# Altium PCB ImmPCB2.PCBDOC (part 4 of 4)
Units mm, origin at the board's own origin, x right, y up, seen from the top; angles counter-clockwise.
Board outline 140.04 x 97 mm, 4 copper layers (Top Layer, InternalPlane1, InternalPlane2, Bottom Layer); 374 components, 334 nets, 1652 pads, 438 vias.
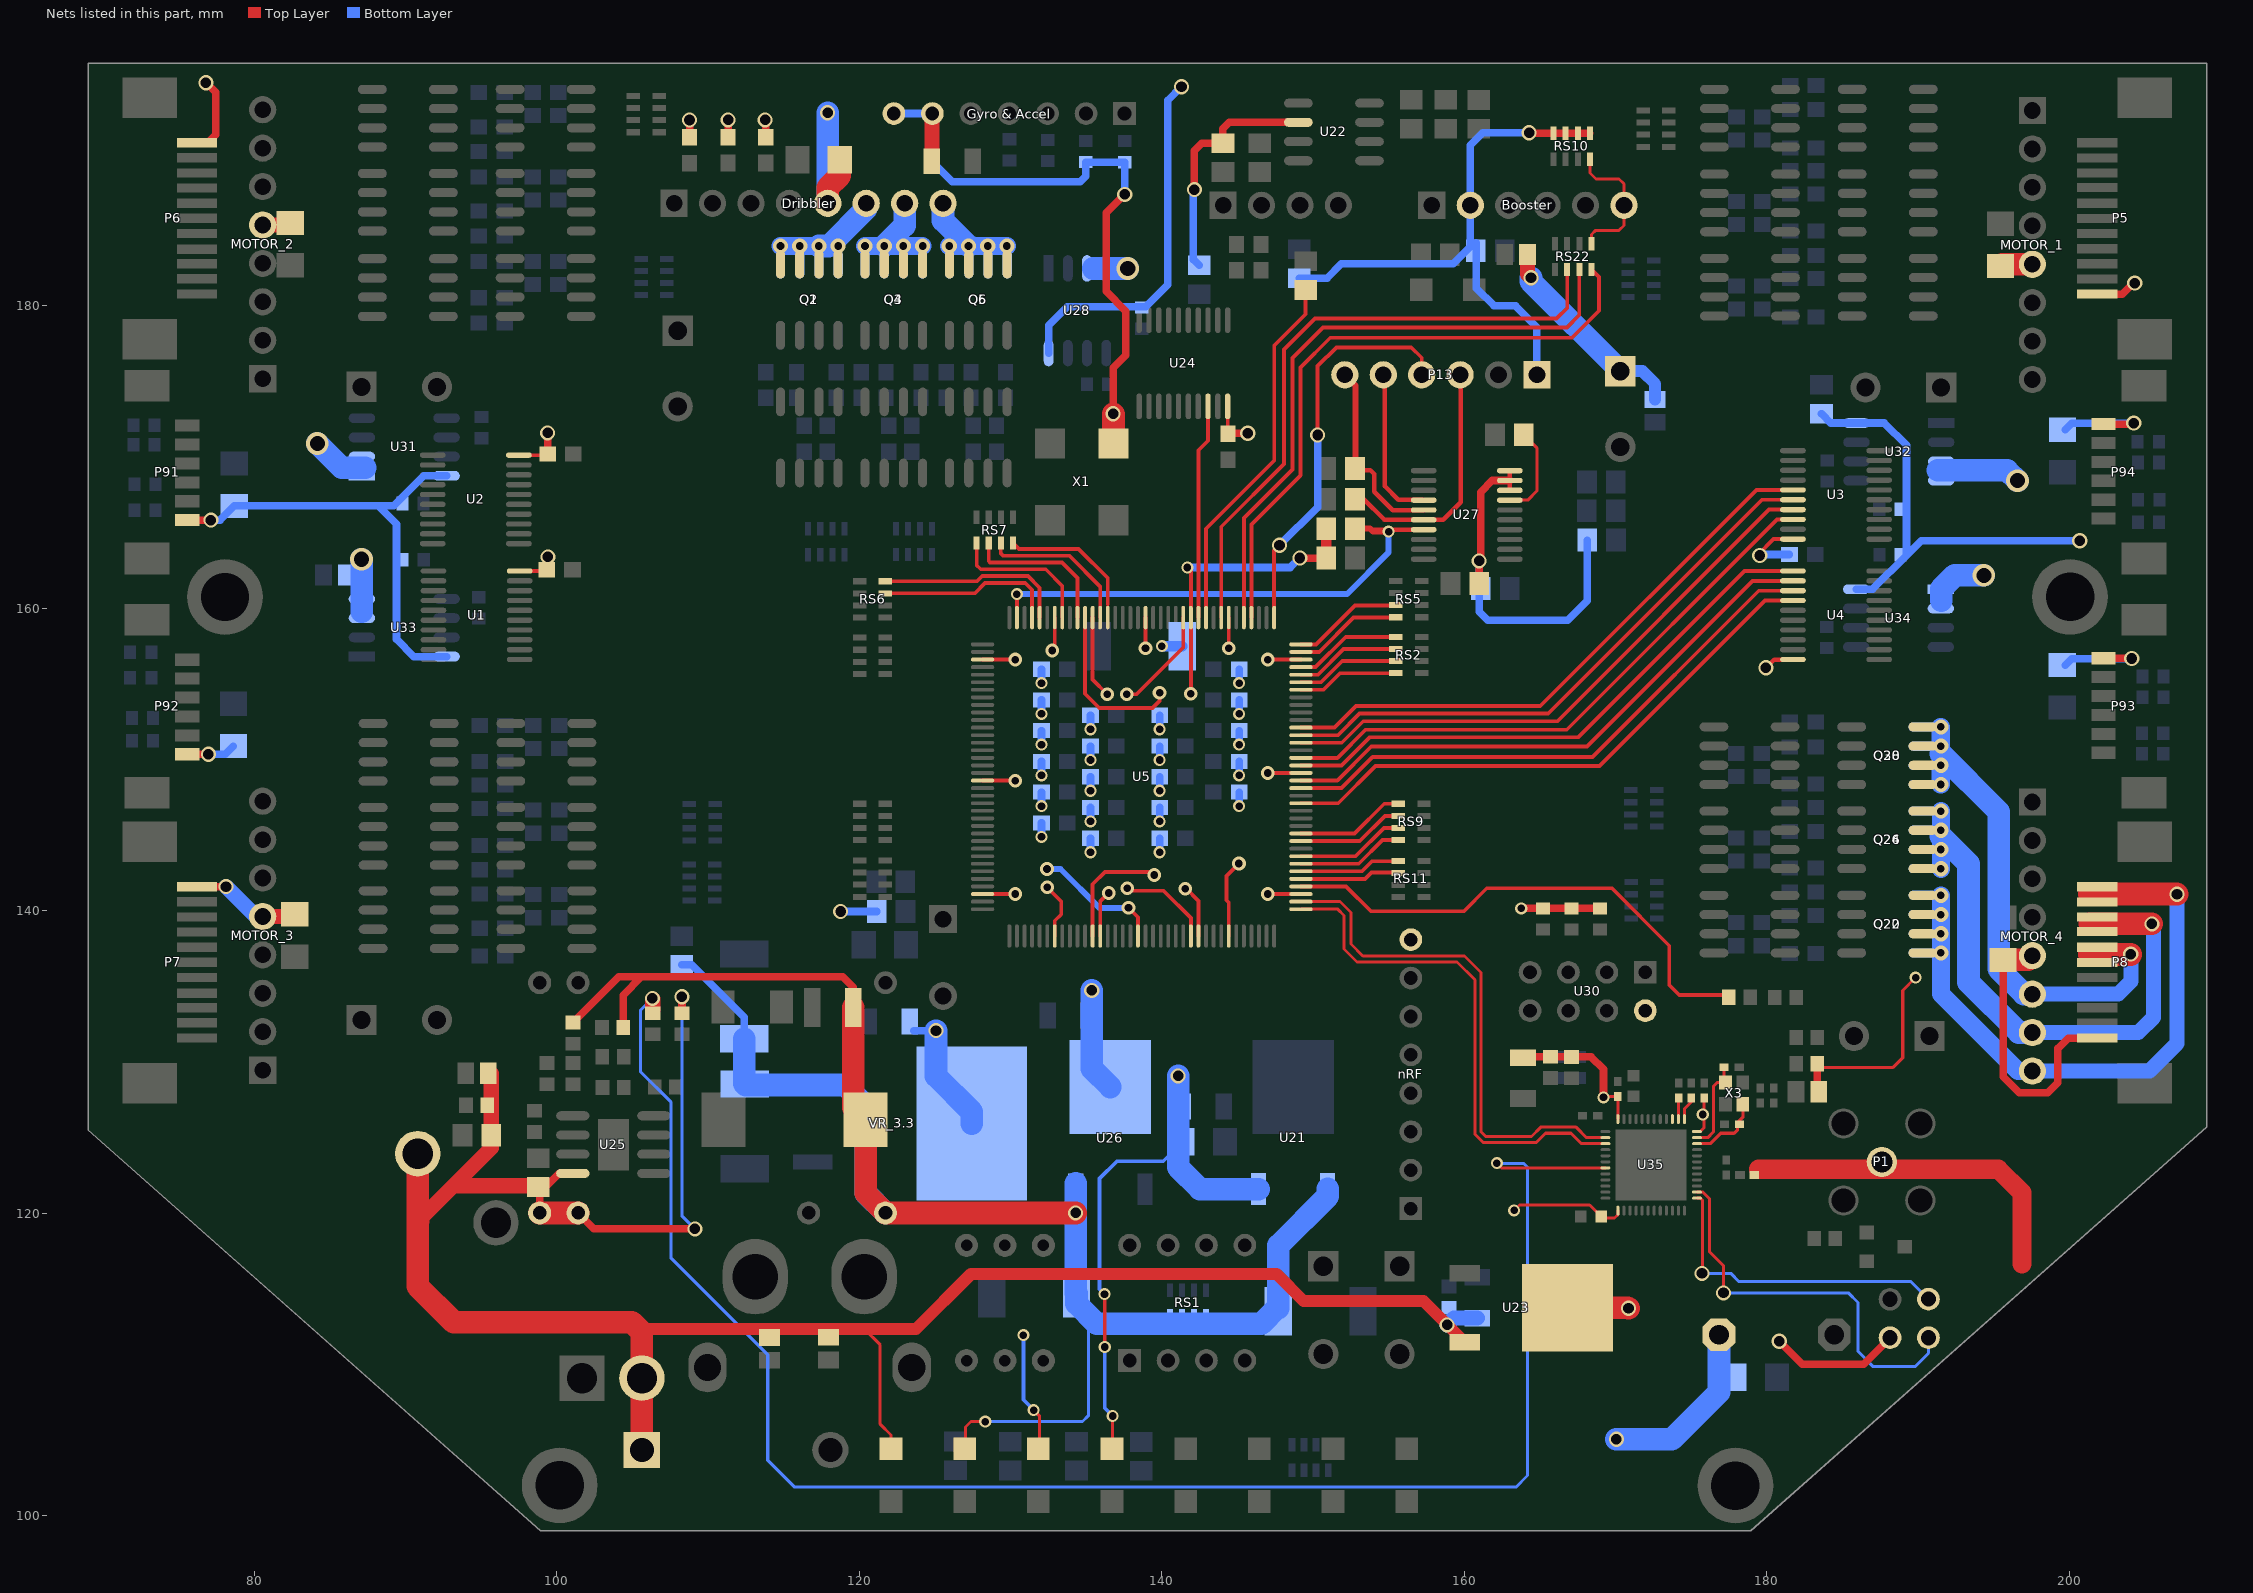
[diagram p6: the nets of this part, all layers, seen from the top]

## Via types
v1: diameter 0.8, hole 0.5, Top Layer to Bottom Layer, tented both sides, 205 vias
v2: diameter 1, hole 0.7, Top Layer to Bottom Layer, tented both sides, 103 vias
v3: diameter 1, hole 0.5, Top Layer to Bottom Layer, tented both sides, 60 vias
v4: diameter 0.9, hole 0.5, Top Layer to Bottom Layer, tented both sides, 38 vias
v5: diameter 0.66, hole 0.33, Top Layer to Bottom Layer, tented both sides, 22 vias
v6: diameter 1.5, hole 1, Top Layer to Bottom Layer, tented both sides, 5 vias
v7: diameter 1, hole 0.711, Top Layer to Bottom Layer, tented both sides, 5 vias

## Nets (pads, with @x,y where several pads share a name; then routed paths per layer and width w, separated by ;. In a path a pad name is that pad's centre, name@x,y a point inside that pad or via, vN(x,y) a via of type N, cw(c..) or ccw(c..) an arc to the next point about the centre after c; other vN are vias at no path point) (continued)
O41: MOTOR_4.6 P8.6 P8.7 Q28.5 Q28.6 Q28.7 Q28.8 Q30.5 Q30.6 Q30.7 Q30.8 | length 33.2
  Top Layer w1.5: 201.34,137.1 204.06,137.1 v2(204.06,137.12)
  Bottom Layer w0.5: v2(204.06,137.12) v2@204.09,137.09
  Bottom Layer w1: MOTOR_4.6@197.56,134.475 203.235,134.475 204.09,135.33 v2@204.09,137.09
  Bottom Layer w1.2: v3@191.5,148.335 v3@191.5,149.593 ; 191.5,150.37 v3@191.5,152.145
  Bottom Layer w1.5: 191.5,150.37 195.33,146.54 195.33,136.15 197.005,134.475 MOTOR_4.6@197.56,134.475
  other v3: 191.51,148.335 191.51,149.605 191.51,150.875 191.51,152.145
O42: MOTOR_4.7 P8.8 P8.9 Q24.5 Q24.6 Q24.7 Q24.8 Q26.5 Q26.6 Q26.7 Q26.8 | length 38.4
  Top Layer w1.5: 201.36,139.12 v2(205.46,139.12)
  Bottom Layer w1: MOTOR_4.7@197.56,131.935 204.555,131.935 205.56,132.94 v2@205.56,139.02
  Bottom Layer w1.2: v3@191.52,142.767 v3@191.52,146.577
  Bottom Layer w1.5: v3@191.52,144.92 193.34,143.1 193.34,135.26 196.665,131.935 MOTOR_4.7@197.56,131.935
  other v3: 191.51,142.767 191.51,144.037 191.51,145.307 191.51,146.577
O43: MOTOR_4.8 P8.10 P8.11 Q20.5 Q20.6 Q20.7 Q20.8 Q22.5 Q22.6 Q22.7 Q22.8 | length 40.7
  Top Layer w1.5: 201.32,141.1 207.1,141.1 v2(207.12,141.08)
  Bottom Layer w1: MOTOR_4.8@197.56,129.395 205.295,129.395 207.12,131.22 v2(207.12,141.08)
  Bottom Layer w1.2: v3(191.51,137.197) 191.51,134.5 196.615,129.395 MOTOR_4.8@197.56,129.395 ; v3@191.52,137.197 v3@191.52,141.007
  other v3: 191.51,138.467 191.51,139.737 191.51,141.007
OD1: Dribbler.8 Q5.5 Q5.6 Q5.7 Q5.8 Q6.5 Q6.6 Q6.7 Q6.8 | length 7.3
  Bottom Layer w1.2: v3@125.961,183.94 127.231,183.94 v3@129.771,183.94
  Bottom Layer w1.5: Dribbler.8@125.55,186.75 125.55,185.621 v3@127.231,183.94
  other v3: 125.961,183.93 127.231,183.93 128.501,183.93 129.771,183.93
OD2: Dribbler.7 Q3.5 Q3.6 Q3.7 Q3.8 Q4.5 Q4.6 Q4.7 Q4.8 | length 7.2
  Bottom Layer w1.2: v3@120.391,183.94 121.661,183.94 v3@124.197,183.94
  Bottom Layer w1.5: v3@121.661,183.94 123.01,185.289 Dribbler.7@123.01,186.75
  other v3: 120.391,183.93 121.661,183.93 122.931,183.93 124.201,183.93
OD3: Dribbler.6 Q1.5 Q1.6 Q1.7 Q1.8 Q2.5 Q2.6 Q2.7 Q2.8 | length 7.7
  Bottom Layer w1.2: v3@114.803,183.94 118,183.94
  Bottom Layer w1.5: v3(117.343,183.93) 117.99,183.93 118,183.94 120.47,186.41 Dribbler.6@120.47,186.75
  other v3: 114.803,183.93 116.073,183.93 118.613,183.93
P0.00/XL1: U5.74 U35.2 | length 34.5
  Top Layer w0.2: U5.74@149.209,140.594 151.782,140.594 152.51,139.866 152.51,137.79 153.3,137 160.02,137 161.113,135.907 161.113,125.373 161.416,125.07 164.45,125.07 165.06,125.68 167.4,125.68 168.09,124.99 U35.2@169.335,124.99
P0.01/XL2: U5.73 U35.3 | length 34.3
  Top Layer w0.2: U5.73@149.209,140.094 151.646,140.094 152.06,139.68 152.06,137.46 152.92,136.6 159.53,136.6 160.713,135.417 160.713,125.207 161.25,124.67 164.77,124.67 165.38,125.28 167.06,125.28 167.75,124.59 U35.3@169.335,124.59
P0.05/AIN3: R9.1 U35.7 | length 116.1
  Top Layer w0.2: v2(106.33,134.19) v2@106.36,134.16 ; v1(162.16,123.3) 162.47,122.99 U35.7@169.335,122.99
  Top Layer w1: R9.1@106.36,133.44 v2@106.36,134.16
  Bottom Layer w0.2: v2(106.33,134.19) 105.54,133.4 105.54,129.36 107.58,127.32 107.58,117.01 113.96,110.63 113.96,103.66 115.74,101.88 163.419,101.88 164.19,102.651 164.19,123.03 163.95,123.27 v1@162.23,123.27
P0.25: C103.1 U35.37 | length 1.6
  Top Layer w0.2: U35.37@174.56,126.215 174.56,126.9 175.02,127.36 C103.1@175.02,127.59
P0.26: C104.1 U35.38 | length 1.4
  Top Layer w0.2: U35.38@174.16,126.215 174.16,127.59 C104.1@174.17,127.6
P0.27: U35.39
"P.R TDO": R341.1 U27.17 | length 6.1
  Top Layer w0.2: U27.17@163.018,167.131 164.201,167.131 164.801,167.731 164.801,170.593 R341.1@163.934,171.46
PROG_B: R33.1 U5.143 U27.7 | length 34.4
  Top Layer w0.25: U5.143@130.434,159.369 v1(130.434,160.92)
  Top Layer w0.3: 153.85,165.18 U27.7@157.29,165.18
  Top Layer w0.4: R33.1@152.782,165.248 153.782,165.248 153.85,165.18 153.98,165.05 v1(155,165.05)
  Bottom Layer w0.4: v1(130.434,160.92) 152.25,160.92 154.99,163.66 v1@154.99,165.05
R_IO1: RS5.5 U5.108 | length 7.5
  Top Layer w0.25: U5.108@149.209,157.594 150.212,157.594 152.788,160.17 RS5.5@155.627,160.17
R_IO2: RS5.7 U5.107 | length 7.4
  Top Layer w0.25: U5.107@149.209,157.094 150.412,157.094 152.688,159.37 RS5.7@155.627,159.37
R_IO3: RS2.1 U5.105 | length 7.1
  Top Layer w0.25: U5.105@149.209,156.094 150.172,156.094 152.168,158.09 RS2.1@155.487,158.09
R_IO4: RS2.3 U5.104 | length 7
  Top Layer w0.25: U5.104@149.209,155.594 150.332,155.594 152.028,157.29 RS2.3@155.487,157.29
R_IO5: RS2.5 U5.103 | length 6.9
  Top Layer w0.25: U5.103@149.209,155.094 150.532,155.094 151.938,156.5 RS2.5@155.477,156.5
R_IO6: RS2.7 U5.102 | length 6.7
  Top Layer w0.25: U5.102@149.209,154.594 150.702,154.594 151.798,155.69 RS2.7@155.487,155.69
R_IO10: U3.15 U5.97 | length 39
  Top Layer w0.25: U5.97@149.209,152.094 151.422,152.094 152.848,153.52 165.03,153.52 179.315,167.805 U3.15@181.73,167.805
R_IO11: U3.16 U5.96 | length 39
  Top Layer w0.25: U5.96@149.209,151.594 151.652,151.594 153.078,153.02 165.56,153.02 179.695,167.155 U3.16@181.73,167.155
R_IO12: U3.17 U5.95 | length 38.9
  Top Layer w0.25: U5.95@149.209,151.094 151.902,151.094 153.328,152.52 166.16,152.52 180.145,166.505 U3.17@181.73,166.505
R_IO13: U3.18 U5.93 | length 39
  Top Layer w0.25: U5.93@149.209,150.094 151.614,150.094 153.47,151.95 166.78,151.95 180.685,165.855 U3.18@181.73,165.855
R_IO14: U4.11 U5.92 | length 37.8
  Top Layer w0.25: U5.92@149.209,149.594 151.892,149.594 153.748,151.45 167.53,151.45 178.525,162.445 U4.11@181.73,162.445
R_IO15: U4.12 U5.90 | length 38
  Top Layer w0.25: U5.90@149.209,148.594 151.614,148.594 153.86,150.84 168.11,150.84 179.065,161.795 U4.12@181.73,161.795
R_IO16: U4.13 U5.89 | length 37.9
  Top Layer w0.25: U5.89@149.209,148.094 151.892,148.094 153.948,150.15 168.48,150.15 179.475,161.145 U4.13@181.73,161.145
R_IO17: U4.14 U5.87 | length 38.1
  Top Layer w0.25: U5.87@149.209,147.094 151.674,147.094 154.13,149.55 168.94,149.55 179.885,160.495 U4.14@181.73,160.495
R_IO21: RS9.1 U5.83 | length 7.2
  Top Layer w0.25: U5.83@149.209,145.094 152.749,145.094 154.715,147.06 RS9.1@155.637,147.06
R_IO22: RS9.3 U5.82 | length 7.1
  Top Layer w0.25: U5.82@149.209,144.594 153.092,144.594 154.758,146.26 RS9.3@155.637,146.26
R_IO23: RS9.5 U5.80 | length 7.2
  Top Layer w0.25: U5.80@149.209,143.594 152.824,143.594 154.69,145.46 RS9.5@155.639,145.46
R_IO24: RS9.7 U5.79 | length 7.1
  Top Layer w0.25: U5.79@149.209,143.094 153.032,143.094 154.598,144.66 RS9.7@155.637,144.66
R_IO25: RS11.1 U5.78 | length 6.7
  Top Layer w0.25: U5.78@149.209,142.594 153.242,142.594 153.908,143.26 RS11.1@155.587,143.26
R_IO26: RS11.3 U5.77 | length 6.6
  Top Layer w0.25: U5.77@149.209,142.094 153.449,142.094 153.865,142.51 RS11.3@155.637,142.51
R_IO27: R25.1 U5.76 | length 34.1
  Top Layer w0.25: U5.76@149.209,141.594 152.196,141.594 153.83,139.96 159.98,139.96 161.49,141.47 169.77,141.47 173.56,137.68 173.56,135.07 174.21,134.42 177.35,134.42 R25.1@177.5,134.27
RF: L11.2 P1.1 | length 22.7
  Top Layer w1.27: 179.466,122.899 195.308,122.899 196.867,121.34 196.867,116.651
S_TDO: P13.4 U5.109 | length 26.8
  Top Layer w0.25: U5.109@147.434,159.369 147.434,163.824 147.76,164.15 v2(147.79,164.15) ; v2(150.31,171.44) 150.31,175.99 151.55,177.23 156.5,177.23 157.19,176.54 P13.4@157.19,175.42 ; P13.4@157.78,175.648 P13.4@157.904,175.524
  Bottom Layer w0.5: v2(147.79,164.15) 150.31,166.67 v2(150.31,171.44)
SHOOT_PULSE: Booster.6 RS10.2 RS22.8 | length 9.2
  Top Layer w0.2: RS10.2@168.31,189.669 168.31,188.76 168.71,188.36 170.24,188.36 170.562,188.038 Booster.6@170.562,186.62 170.562,185.292 170.24,184.97 168.69,184.97 168.41,184.69 RS22.8@168.41,184.081
SWDCLK: TP4.1 U35.25 | length 21
  Top Layer w0.2: U35.25@175.385,120.99 175.61,120.99 175.765,120.835 175.765,116.065 v2(175.72,116.02)
  Bottom Layer w0.2: v2(175.72,116.02) 177.62,116.02 178.17,115.47 189.53,115.47 TP4.1@190.69,114.31
SWDIO: TP5.1 U35.26 | length 26.5
  Top Layer w0.2: U35.26@175.385,121.39 175.776,121.39 176.2,120.966 176.2,117.46 177.14,116.52 v2(177.14,114.73)
  Bottom Layer w0.2: v2(177.14,114.73) 185.39,114.73 186.03,114.09 186.03,110.86 187.04,109.85 189.8,109.85 190.69,110.74 TP5.1@190.69,111.763
TCK: P13.3 R342.1 U27.6 | length 16.4
  Top Layer w0.3: R342.1@152.782,167.192 153.368,167.192 154.71,165.85 U27.6@157.25,165.85 ; U27.6@157.31,165.83 158.62,165.83 159.77,166.98 P13.3@159.77,175.42
TDI: P13.5 U27.4 | length 10.3
  Top Layer w0.3: P13.5@154.76,175.42 154.76,168.04 155.65,167.15 U27.4@157.27,167.15
TMS: P13.6 R343.1 U27.5 | length 13.2
  Top Layer w0.3: R343.1@152.824,169.12 153.79,169.12 154.05,168.86 154.05,167.68 155.27,166.46 U27.5@157.33,166.46
  Top Layer w0.4: P13.6@152.11,175.42 152.824,174.706 152.824,169.12 R343.1@153.14,169.12
U_IO1: RS6.5 U5.141 | length 12
  Top Layer w0.25: RS6.5@121.741,160.97 127.64,160.97 128.33,161.66 130.98,161.66 131.434,161.206 U5.141@131.434,159.369
U_IO2: RS6.7 U5.140 | length 12.6
  Top Layer w0.25: RS6.7@121.741,161.77 127.804,161.77 128.144,162.11 131.166,162.11 131.934,161.342 U5.140@131.934,159.369
U_IO3: RS7.8 U5.137 | length 9.6
  Top Layer w0.25: RS7.8@127.77,164.079 127.77,162.83 128.04,162.56 132.34,162.56 133.434,161.466 U5.137@133.434,159.369
U_IO4: RS7.6 U5.135 | length 9.9
  Top Layer w0.25: RS7.6@128.57,164.079 128.57,163.1 128.66,163.01 133.41,163.01 134.434,161.986 U5.135@134.434,159.369
U_IO5: RS7.4 U5.132 | length 10
  Top Layer w0.25: RS7.4@129.37,164.079 129.37,163.6 129.51,163.46 133.9,163.46 135.934,161.426 U5.132@135.934,159.369
U_IO6: RS7.2 U5.131 | length 9.8
  Top Layer w0.175: U5.131@136.434,159.369 136.434,160.244
  Top Layer w0.25: RS7.2@130.17,164.299 130.559,163.91 134.51,163.91 136.434,161.986 136.434,160.244
U_IO10: U5.119 U24.18 | length 14.2
  Top Layer w0.25: U5.119@142.434,159.369 142.434,170.424 143.065,171.055 U24.18@143.065,173.33
U_IO11: R333.2 U5.118 | length 24.3
  Top Layer w0.25: U5.118@142.934,159.369 142.934,165.244 147.44,169.75 147.44,177.36 149.5,179.42 R333.2@149.5,180.99
U_IO12: RS22.3 U5.116 | length 41.8
  Top Layer w0.25: U5.116@143.934,159.369 143.934,165.374 148.08,169.52 148.08,177.09 150.13,179.14 166.11,179.14 166.81,179.84 RS22.3@166.81,182.379
U_IO13: RS22.5 U5.113 | length 41.6
  Top Layer w0.25: U5.113@145.44,159.369 145.44,165.95 148.65,169.16 148.65,176.52 150.67,178.54 166.79,178.54 167.61,179.36 RS22.5@167.61,182.379
U_IO14: RS22.7 U5.112 | length 42.1
  Top Layer w0.25: U5.112@145.93,159.369 145.93,165.52 149.18,168.77 149.18,175.91 151.14,177.87 167.13,177.87 168.906,179.646 168.906,181.883 RS22.7@168.41,182.379
"V 1.2": C33.2 C34.2 C35.2 C36.2 C62.2 C75.2 U5.49 U5.61 U5.121 U5.133 U26.4 | length 33.3
  Top Layer w0.25: U5.133@135.434,159.369 135.434,155.266 v4(136.4,154.3) ; U5.49@135.934,138.319 135.934,140.594 v4(136.5,141.16) ; v4(137.68,154.3) 138.33,154.3 141.434,157.404 U5.121@141.434,159.369 ; v4(137.73,141.48) 137.9,141.31 140.13,141.31 141.934,139.506 U5.61@141.934,138.319
  Bottom Layer w0.5: v1(135.294,143.858) C35.2@135.294,144.78 ; v1(135.294,145.89) C34.2@135.294,146.812 ; v1(135.294,147.922) C75.2@135.294,148.844 ; v1(135.294,149.954) C36.2@135.294,150.876 ; v1(135.294,151.986) C33.2@135.294,152.908
  Bottom Layer w1.5: v2(135.38,134.72) 135.38,129.565 U26.4@136.61,128.335
"V 2.5": C11.2 C12.2 C13.2 C31.2 C73.2 C74.2 D21.1 R2.5.2 R33.2 R34.1 U5.48 U5.62 U5.120 U5.134 U21.3 | length 83.6
  Top Layer w0.2: v1(136.76,106.59) 136.76,104.48 D21.1@136.81,104.43
  Top Layer w0.25: U5.134@134.934,159.369 134.934,154.336 135.87,153.4 139.4,153.4 139.88,153.88 v4(139.86,154.39) ; U5.48@135.434,138.319 135.434,141.734 136.25,142.55 139.3,142.55 v4(139.5,142.35) ; v1(136.22,114.65) 136.24,114.63 v1(136.24,111.15) ; v4@141.6,141.47 142.434,140.636 U5.62@142.434,138.319 ; v1@141.71,162.68 141.934,162.456 U5.120@141.934,159.369 v4(141.934,154.34)
  Top Layer w0.5: v2(149.134,163.304) R34.1@150.882,163.304
  Top Layer w0.7: R34.1@150.882,163.304 R33.2@150.882,165.248
  Bottom Layer w0.25: v1(136.22,114.65) 135.9,114.97 135.9,122.28 137.05,123.43 140.1,123.43 141.09,124.42 R2.5.2@141.38,124.71 ; v1(136.24,111.15) 136.24,107.11 v1(136.76,106.59)
  Bottom Layer w0.5: v1(139.866,143.858) C74.2@139.866,144.78 ; v1(139.866,145.89) C12.2@139.866,146.812 ; v1(139.866,147.922) C73.2@139.866,148.844 ; v1(139.866,149.954) C11.2@139.866,150.876 ; v1(139.866,151.986) C13.2@139.866,152.908 ; v1@141.71,162.68 148.51,162.68 v2(149.134,163.304)
  Bottom Layer w1.5: v2(141.09,129.07) 141.09,124.42 141.09,123.03 142.535,121.585 U21.3@146.405,121.585
  other v1: 141.7,162.68
  other v4: 141.57,141.44
"V 3.3": "Gyro & Accel.6" "Gyro & Accel.7" Booster.2 C14.2 C15.2 C16.2 C17.2 C18.2 C20.1 C21.1 C23.2 C24.2 C25.2 C37.2 C38.2 C39.2 C72.1 C76.2 C77.2 C78.2 C79.2 C80.1 C125.1 D2.1 P13.1 R32.1 R55.2 R149.1 R150.1 R345.1 R(rst).1 RS10.1 RS10.3 RS10.5 RS10.7 U1.20 U2.20 U3.20 U4.20 U5.3 U5.19 U5.34 U5.43 U5.54 U5.66 U5.75 U5.91 U5.106 U5.115 U5.126 U5.138 U24.20 U27.18 U27.19 U27.20 VR_3.3.4 X1.4 | length 189.9
  Top Layer w0.2: v1(131.54,106.98) 131.91,106.61 D2.1@131.91,104.46
  Top Layer w0.25: U2.20@97.51,170.105 99.345,170.105 C37.2@99.41,170.17 ; U1.20@97.56,162.445 99.405,162.445 99.43,162.47 v2(99.43,163.38) ; U5.34@128.159,141.094 v4(130.32,141.094) ; U5.19@128.159,148.594 v4(130.32,148.594) ; U5.3@128.159,156.594 v4(130.32,156.594) ; v1(131.54,106.98) v1@131.54,107.04 ; v4(132.434,141.53) 133.36,140.604 133.36,139.75 132.934,139.324 U5.43@132.934,138.319 ; v4@132.934,157.19 U5.138@132.934,159.369 ; v4(137.81,140.18) 138.434,139.556 U5.54@138.434,138.319 ; v4(138.934,157.34) U5.126@138.934,159.369 ; C38.2@144.365,171.55 U24.20@144.365,173.33 ; U5.66@144.434,138.319 144.434,140.526 144.28,140.68 144.28,142.28 v4(145.11,143.11) ; v4(144.434,157.34) U5.115@144.434,159.369 ; v4(147.02,141.094) U5.75@149.209,141.094 ; v4(147.02,149.094) U5.91@149.209,149.094 ; v4(147.02,156.594) U5.106@149.209,156.594 ; v2(179.54,163.47) 179.51,163.47 179.44,163.54 180.455,164.555 U3.20@181.73,164.555
  Top Layer w0.3: U27.18@163.018,167.781 U27.19@163.018,168.431 U27.20@163.018,169.081 ; v2(179.94,156.05) 180.485,156.595 U4.20@181.73,156.595
  Top Layer w0.5: C37.2@99.41,170.17 v2(99.41,171.58) ; v2(136.79,172.84) 136.79,175.87 137.64,176.72 137.64,179.63 136.34,180.93 136.34,186.12 v2(137.56,187.34) ; C38.2@144.365,171.55 v2(145.69,171.55) ; R32.1@160.99,161.62 v2(160.99,163.12) 161.094,163.224 161.094,167.663 161.862,168.431 U27.19@163.018,168.431 ; v2(164.29,191.42) 164.339,191.371 RS10.7@165.91,191.371 RS10.5@166.71,191.371 RS10.3@167.51,191.371 RS10.1@168.31,191.371
  Top Layer w1: C125.1@124.81,189.53 124.81,192.66 124.84,192.69
  Top Layer w1.5: v2(136.79,172.84) 136.816,172.814 X1.4@136.816,170.88
  Bottom Layer w0.25: v1(130.86,111.94) 130.86,107.66 v1(131.54,106.98)
  Bottom Layer w0.4: v4(132.422,142.748) 133.312,142.748 135.88,140.18 v4(137.81,140.18)
  Bottom Layer w0.5: v2(118.78,139.94) 121.17,139.94 ; 122.3,192.69 124.84,192.69 124.84,189.49 126.15,188.18 134.62,188.18 134.99,188.55 R149.1@134.99,189.48 137.55,189.48 R150.1@137.56,189.47 v2(137.56,187.34) ; C20.1@123.6,132.06 v2(125.08,132.06) ; v1(132.056,144.874) C23.2@132.056,145.796 ; v1(132.056,146.906) C78.2@132.056,147.828 ; v1(132.056,148.938) C17.2@132.056,149.86 ; v1(132.056,150.97) C77.2@132.056,151.892 ; v1(132.056,153.002) C18.2@132.056,153.924 ; v1(132.056,155.034) C25.2@132.056,155.956 ; v1(145.122,146.906) C15.2@145.122,147.828 ; v1(145.122,148.938) C16.2@145.122,149.86 ; v1(145.122,150.97) C79.2@145.122,151.892 ; v1(145.122,153.002) C14.2@145.122,153.924 ; v1(145.122,155.034) C24.2@145.122,155.956 ; R55.2@149.1,181.81 150.93,181.81 151.88,182.76 159.27,182.76 160.402,183.892 Booster.2@160.402,186.62 160.402,190.602 161.22,191.42 v2(164.29,191.42) ; C21.1@160.79,184.13 160.79,181.15 161.97,179.97 163.39,179.97 164.81,178.55 P13.1@164.81,175.42 ; v2(160.99,163.12) 160.99,159.74 161.55,159.18 166.83,159.18 168.13,160.48 R345.1@168.13,164.494 ; v2(179.54,163.47) 179.61,163.54 C76.2@181.5,163.54
  Bottom Layer w0.7: v1@140.014,157.48 C80.1@141.364,157.48
  Bottom Layer w1.5: v2(125.08,132.06) 125.08,129.06 127.44,126.7 VR_3.3.4@127.44,125.93
  other v1: 140.01,157.484
  other v4: 132.77,157.19
"V 12": C66.1 C67.1 C68.1 C69.1 C70.1 C71.1 C81.1 C82.2 C83.2 C88.1 C89.1 C90.1 C126.1 C_IR.1 D1.1 D_correction.2 MikonaPOW.2 P4.2 pad.5 pad.6 R8.1 R19.2 R44.2 U22.6 U23.3 U25.8 U28.3 U28.4 U31.1 U31.2 U32.3 U32.4 U33.3 U33.4 U34.1 U34.2 | length 212.6
  Top Layer w0.2: 120.35,112.33 121.39,111.29 121.39,106.05 122.11,105.33 D1.1@122.11,104.44 ; R19.2@183.38,129.64 188.36,129.64 188.99,130.27 188.99,134.72 v1(189.84,135.57)
  Top Layer w0.5: pad.5@98.882,120.012 98.882,121.342 100.165,122.625 U25.8@101.071,122.625 ; pad.6@101.422,120.012 102.474,118.96 v7(109.14,118.96) ; v7(108.28,134.3) 108.29,134.29 R8.1@108.29,133.22 ; v2(142.16,187.66) 142.16,190.24 142.64,190.72 R44.2@144.05,190.72 144.05,191.68 144.475,192.105 U22.6@149.04,192.105 ; R19.2@183.34,129.87 183.34,128.11 C68.1@183.43,128.02
  Top Layer w0.8: 105.64,112.12 105.85,112.33 120.35,112.33 123.75,112.33 127.39,115.97 147.6,115.97 149.39,114.18 157.32,114.18 U23.3@160.03,111.47
  Top Layer w1: 90.844,119.46 95.684,124.299 C66.1@95.684,129.24 ; 93.22,121.81 C88.1@98.793,121.81 ; C67.1@164.18,183.38 164.18,182.06 v7(164.41,181.83)
  Top Layer w1.5: P4.2@90.822,123.932 90.822,119.46 ; 90.844,119.46 90.822,119.46 ; pad.5@98.882,120.012 pad.6@101.422,120.012 ; D_correction.2@105.64,104.34 MikonaPOW.2@105.64,109.09 105.64,112.12 104.98,112.78 93.2,112.78 90.822,115.158 90.822,119.46
  Bottom Layer w0.2: v7(108.28,134.3) 108.28,119.82 v7(109.14,118.96)
  Bottom Layer w0.5: v2(142.16,187.66) 142.1,187.6 142.1,183.04 C_IR.1@142.49,182.65
  Bottom Layer w0.8: C126.1@170.33,175.66 171.78,175.66 172.62,174.82 C81.1@172.62,173.78
  Bottom Layer w1: v2(158.87,112.61) 159.32,113.06 C83.2@160.86,113.06
  Bottom Layer w1.5: v6(84.19,170.88) 85.79,169.28 87.35,169.28 ; v6(87.11,163.22) 87.13,163.2 87.13,159.76 ; 135.47,182.45 137.75,182.45 v6(137.76,182.44) ; v7(164.41,181.83) 164.39,181.81 164.39,181.6 C126.1@170.33,175.66 ; 191.32,169.1 195.89,169.1 v6(196.57,168.42) ; 191.54,160.5 191.54,161.27 192.43,162.16 v6(194.35,162.16)
VCC: C1.1 C2.1 C3.1 C5.1 C6.1 C7.1 C9.1 C63.1 C65.1 C86.2 C92.1 C110.1 C111.1 C113.1 C114.1 C117.1 C118.1 C120.1 C130.1 C_1.1 C_16.1 C_17.1 C_19.1 D24.1 Dribbler.5 L2.1 MOTOR_1.5 MOTOR_2.5 MOTOR_3.5 MOTOR_4.5 P5.1 P6.1 P7.1 P8.1 P91.1 P92.1 P93.1 P94.1 pad.8 R6.2 R40.1 R41.1 R42.1 RS1.1 RS1.3 RS1.5 RS1.7 U21.1 U26.3 U28.8 U29.+ U31.8 U32.8 U33.8 U34.8 VR_3.3.3 | length 290.2
  Top Layer w0.2: D24.1@127.03,104.45 127.03,105.86 127.39,106.22 v1(128.34,106.22)
  Top Layer w0.5: P92.1@75.59,150.33 v2(76.98,150.33) ; P91.1@75.59,165.81 v2(77.15,165.81) ; P7.1@76.23,141.58 v2(78.15,141.58) ; P6.1@76.23,190.76 76.93,190.76 77.46,191.29 77.46,194.08 v2(76.82,194.72) ; C92.1@101.08,132.6 104.1,135.62 105.61,135.62 ; R6.2@104.4,132.26 104.4,134.41 105.61,135.62 ; R40.1@108.79,191.11 v2(108.79,192.26) ; R41.1@111.34,191.12 v2(111.34,192.27) ; v2(113.79,192.27) 113.83,192.23 R42.1@113.83,191.12 ; C86.2@119.61,133.59 119.61,134.92 118.91,135.62 105.61,135.62 ; C7.1@195.62,136.74 195.62,129.01 196.68,127.95 198.56,127.95 199.23,128.62 199.23,130.88 199.922,131.572 P8.1@201.85,131.572 ; P5.1@201.85,180.752 203.502,180.752 204.23,181.48 v2(204.33,181.48) ; P93.1@202.27,156.68 204.11,156.68 v2(204.13,156.66) ; P94.1@202.27,172.16 204.2,172.16 v2(204.26,172.22)
  Top Layer w1: MOTOR_3.5@80.57,139.61 82.55,139.61 C120.1@82.69,139.75 ; MOTOR_2.5@80.57,185.32 82.26,185.32 C110.1@82.4,185.46
  Top Layer w1.5: Dribbler.5@117.93,186.75 117.93,187.79 118.72,188.58 C1.1@118.72,189.63 ; L2.1@119.61,126.98 C86.2@119.61,133.59 ; L2.1@120.43,126.16 120.43,121.324 pad.8@121.742,120.012 v2(134.312,120.012) ; C130.1@195.46,182.6 195.585,182.725 MOTOR_1.5@197.56,182.725 ; C7.1@195.62,136.74 197.285,136.74 MOTOR_4.5@197.56,137.015
  Bottom Layer w0.2: v1(128.34,106.22) 134.77,106.22 135.15,106.6 135.15,113.02
  Bottom Layer w0.5: v2(76.98,150.33) 78.1,150.33 C2.1@78.64,150.87 ; v2(77.15,165.81) 77.75,165.81 C3.1@78.69,166.75 88.21,166.75 ; U33.8@92.73,156.79 90.57,156.79 89.42,157.94 89.42,165.54 88.21,166.75 ; U31.8@92.73,168.74 91.23,168.74 89.24,166.75 88.21,166.75 ; C63.1@108.27,136.41 108.95,136.41 112.41,132.95 C_19.1@112.41,131.53 ; U28.8@132.53,176.85 132.53,178.69 133.77,179.93 138.96,179.93 140.4,181.37 140.4,193.55 v2(141.31,194.46) ; C_17.1@147.805,113.675 C_17.1@147.87,113.74 ; C65.1@183.62,172.85 184.24,172.23 U32.8@185.93,172.23 187.78,172.23 189.24,170.77 C118.1@189.24,163.49 ; U34.8@185.91,161.24 186.99,161.24 C118.1@189.24,163.49 ; C6.1@199.73,156.23 200.16,156.66 v2(204.13,156.66) ; C9.1@199.73,171.78 200.17,172.22 v2(204.26,172.22) ; v2(200.69,164.45) 190.2,164.45 C118.1@189.24,163.49
  Bottom Layer w1: v2(78.15,141.58) 80.12,139.61 MOTOR_3.5@80.57,139.61
  Bottom Layer w1.5: C_16.1@112.41,128.57 C_19.1@112.41,131.53 ; C_16.1@112.51,128.47 VR_3.3.3@116.94,128.47 119.06,128.47 120.44,127.09 120.44,121.314 pad.8@121.742,120.012 ; v2(117.92,192.74) 117.92,186.76 Dribbler.5@117.93,186.75 ; C_1.1@134.325,114.71 U26.3@134.325,121.585 U26.3@134.325,121.955 ; C_1.1@134.37,114.71 134.37,114.02 135.7,112.69 146.59,112.69 C_17.1@147.69,113.79 ; C_17.1@147.715,113.705 147.715,117.855 150.975,121.115 U21.1@150.975,121.595 ; v2(170.06,105.05) 173.73,105.05 176.84,108.16 U29.+@176.84,111.95
VDD_NRF: C8.1 C84.2 C85.2 C87.2 C106.1 C124.1 nRF.8 R127.1 R128.1 R158.1 TP2.1 U23.2 U30.2 U35.13 U35.36 U35.48 | length 38.2
  Top Layer w0.2: v1(163.3,120.18) 163.66,120.54 168.295,120.54 C106.1@169.065,119.77 169.165,119.67 169.93,119.67 170.16,119.9 U35.13@170.16,120.165 ; v1(169.21,127.65) 169.27,127.71 C124.1@170.15,127.71 170.16,127.7 U35.48@170.16,126.215 ; U35.36@175.385,125.39 175.6,125.39 175.84,125.63 175.84,127.54 C8.1@175.87,127.57
  Top Layer w0.5: v1(163.77,140.14) R127.1@165.21,140.14 R158.1@167.095,140.14 R128.1@168.98,140.14 ; C84.2@163.88,130.28 163.93,130.33 C87.2@165.7,130.33 168.38,130.33 169.21,129.5 v1(169.21,127.65) ; v2(180.83,111.53) 182.34,110.02 186.407,110.02 TP2.1@188.15,111.763
  Top Layer w1.5: U23.2@166.83,113.75 170.82,113.75 v2(170.86,113.71)
  other v1: 175.77,126.52
XC1: C107.1 U35.34 X3.1 | length 4.9
  Top Layer w0.2: U35.34@175.385,124.59 176.266,124.59 176.956,125.28 177.85,125.28 178.08,125.51 178.08,126 178.415,126.335 X3.1@178.415,127.185
XC2: C102.1 U35.35 X3.3 | length 6.2
  Top Layer w0.2: U35.35@175.385,124.99 176.1,124.99 176.48,125.37 176.48,128.39 176.725,128.635 X3.3@177.265,128.635 177.18,128.72 C102.1@177.18,129.64
pads on no net: B1.0 RS5.1 RS5.2 RS5.3 RS5.4 RS8.5 RS8.6 RS8.7 RS8.8 RS11.5 RS11.6 RS11.7 RS11.8 RS13.1 RS13.3 RS14.1 RS14.3 RS15.5 RS15.7 RS17.2 RS17.4 RS20.6 RS20.8 RS22.1 RS22.2 U1.6 U1.14 U2.5 U2.15 U3.6 U3.14 U4.5 U4.15 U5.142 U6.1 U6.8 U7.1 U7.8 U8.1 U8.8 U9.1 U9.8 U10.1 U10.8 U11.1 U11.8 U12.1 U12.8 U13.1 U13.8 U14.1 U14.8 U15.1 U15.8 U16.1 U16.8 U17.1 U17.8 U18.1 U18.8 U19.1 U19.8 U20.1 U20.8 U22.1 U22.5 U22.8 U24.5 U24.6 U24.14 U24.15 U25.2 U27.2 U27.9 U27.12 U27.13 U27.14 U27.15 U27.16 U35.44 U35.47 X1.1

## Polygon pours and split planes (outlines as drawn)
"V 2.5" on InternalPlane1 (split plane): 142.854,125.922 140.222,125.922 140.222,133.34 140.214,133.405 140.188,133.466 140.166,133.496 140.148,133.518 138.852,134.814 138.852,154.888 142.854,154.888
"V 1.2" on InternalPlane1 (split plane): 138.348,134.71 138.356,134.645 138.382,134.584 138.422,134.532 139.718,133.236 139.718,126.333 134.402,131.648 134.402,154.888 138.348,154.888
VDD_NRF on InternalPlane1 (split plane): 182.368,128.892 182.368,125.44 179.38,125.44 178.06,124.12 178.06,120.18 179.55,118.69 192.75,118.69 192.75,111.906 178.75,99.506 173.622,99.506 173.622,107.94 173.613,108.038 173.584,108.132 173.538,108.219 173.475,108.295 173.399,108.358 173.312,108.404 173.218,108.433 173.12,108.442 155.622,108.442 155.622,140.958 170.302,140.958
"V 12" on InternalPlane1 (split plane): 189.815,173.855 189.891,173.792 189.978,173.746 190.072,173.717 190.17,173.708 194.402,173.708 198.148,169.962 198.148,152.888 193.765,148.505 193.702,148.429 193.656,148.342 193.627,148.248 193.618,148.15 193.618,134.832 188.928,134.832 186.942,136.818 186.942,160.76 186.933,160.858 186.904,160.952 186.858,161.039 186.795,161.115 180.105,167.805 180.029,167.868 179.942,167.914 179.848,167.943 179.75,167.952 178.748,167.952 169.165,177.535 169.089,177.598 169.002,177.644 168.908,177.673 168.81,177.682 106.48,177.682 106.382,177.673 106.288,177.644 106.201,177.598 106.125,177.535 103.302,174.712 95.26,174.712 95.162,174.703 95.068,174.674 94.981,174.628 94.905,174.565 90.085,169.745 90.022,169.669 89.976,169.582 89.947,169.488 89.938,169.39 89.938,131.94 89.947,131.842 89.976,131.748 90.022,131.661 90.085,131.585 102.322,119.347 102.322,109.023 83.062,128.283 83.062,173.052 85.108,175.098 87.57,175.098 87.668,175.107 87.762,175.136 87.849,175.182 87.925,175.245 94.398,181.718 99.69,181.718 99.788,181.727 99.882,181.756 99.969,181.802 100.045,181.865 106.698,188.518 175.152,188.518
"V 3.3" on InternalPlane1 (split plane): 178.185,167.095 178.261,167.032 178.348,166.986 178.442,166.957 178.54,166.948 179.542,166.948 185.938,160.552 185.938,136.61 185.947,136.512 185.976,136.418 186.022,136.331 186.085,136.255 188.365,133.975 188.441,133.912 188.528,133.866 188.622,133.837 188.72,133.828 193.618,133.828 193.618,125.782 183.372,125.782 183.372,129.1 183.363,129.198 183.334,129.292 183.288,129.379 183.225,129.455 170.865,141.815 170.789,141.878 170.702,141.924 170.608,141.953 170.51,141.962 155.12,141.962 155.022,141.953 154.928,141.924 154.841,141.878 154.765,141.815 154.702,141.739 154.656,141.652 154.627,141.558 154.618,141.46 154.618,108.442 124.642,108.442 124.642,127.26 124.633,127.358 124.604,127.452 124.558,127.539 124.495,127.615 124.375,127.735 124.299,127.798 124.212,127.844 124.118,127.873 124.02,127.882 102.93,127.882 102.832,127.873 102.738,127.844 102.651,127.798 102.575,127.735 102.527,127.677 102.47,127.63 102.407,127.554 102.361,127.467 102.332,127.373 102.322,127.275 102.322,120.768 90.942,132.148 90.942,169.182 95.468,173.708 103.51,173.708 103.608,173.717 103.702,173.746 103.789,173.792 103.865,173.855 106.688,176.678 168.602,176.678
VCC on InternalPlane1 (split plane): 208.56,125.909 208.417,125.782 194.622,125.782 194.622,147.942 199.005,152.325 199.068,152.401 199.114,152.488 199.143,152.582 199.152,152.68 199.152,170.17 199.143,170.268 199.114,170.362 199.068,170.449 199.005,170.525 194.965,174.565 194.889,174.628 194.802,174.674 194.708,174.703 194.61,174.712 190.378,174.712 175.715,189.375 175.639,189.438 175.552,189.484 175.458,189.513 175.36,189.522 106.49,189.522 106.392,189.513 106.298,189.484 106.211,189.438 106.135,189.375 99.482,182.722 94.19,182.722 94.092,182.713 93.998,182.684 93.911,182.638 93.835,182.575 87.362,176.102 84.9,176.102 84.802,176.093 84.708,176.064 84.621,176.018 84.545,175.955 82.205,173.615 82.142,173.539 82.096,173.452 82.067,173.358 82.058,173.26 82.058,128.075 82.067,127.977 82.096,127.883 82.142,127.796 82.205,127.72 102.35,107.575 102.426,107.512 102.513,107.466 102.607,107.437 102.705,107.428 102.825,107.428 102.923,107.437 103.017,107.466 103.104,107.512 103.18,107.575 103.243,107.651 103.289,107.738 103.318,107.832 103.327,107.93 103.327,119.555 103.327,126.878 123.638,126.878 123.638,107.96 123.639,107.95 123.638,107.94 123.647,107.842 123.676,107.748 123.722,107.661 123.785,107.585 123.861,107.522 123.948,107.476 124.042,107.447 124.14,107.438 154.868,107.438 154.928,107.406 155.022,107.377 155.12,107.368 162.01,107.368 162.108,107.377 162.202,107.406 162.262,107.438 172.618,107.438 172.618,99.506 99.137,99.506 70.903,124.514 69.54,126.198 69.54,195.485 208.56,195.485
GND on InternalPlane2 (split plane): 208.56,125.909 208.083,125.487 199.74,125.44 179.38,125.44 178.06,124.12 178.06,120.18 179.55,118.69 192.597,118.69 192.658,118.628 192.7,118.6 192.75,118.591 192.75,111.906 178.75,99.506 99.137,99.506 70.903,124.514 69.54,126.198 69.54,195.485 208.56,195.485

## Keep-outs
Keep-Out Layer:
  circle w0.006: c139.07,98.996 r0.003
  lines w0.013: 69.07,125.496 99.07,98.996 179.07,98.996 209.07,125.496 209.07,195.996 69.07,195.996 69.07,125.496

## Other copper
Top Layer:
  rectangle net RF: 196.232,115.867 197.502,116.629
InternalPlane1 (plane layer: these items are gaps in the copper):
  region: 192.75,111.31 203.04,120.5 203.86,121.32 208.8,125.44 199.74,125.44 179.38,125.44 178.06,124.12 178.06,120.18 179.55,118.69 192.75,118.69
  lines w0.254: 102.825,127.275 102.93,127.38 ; 124.14,107.96 124.25,107.85 ; 208.701,125.31 209.07,125.679
  lines w0.5: 138.6,155.32 138.6,134.71 139.97,133.34 139.97,125.42
  lines w1: 68.86,126.24 72.51,121.728 ; 102.825,127.275 102.825,119.555 ; 102.93,127.38 124.02,127.38 124.14,127.26 124.14,107.96 ; 124.14,107.94 173.12,107.94 173.12,98.97 ; 133.86,131.48 139.92,125.42 143.356,125.42 143.356,155.39 ; 133.9,131.53 133.9,155.39 143.28,155.39 ; 162.01,107.87 155.12,107.87 155.12,141.46 170.51,141.46 182.87,129.1 182.87,125.28 208.701,125.28 ; 194.12,125.26 194.12,148.15 198.65,152.68 198.65,170.17 194.61,174.21 190.17,174.21 175.36,189.02 106.49,189.02 99.69,182.22 94.19,182.22 87.57,175.6 84.9,175.6 82.56,173.26 82.56,128.075 102.705,107.93 102.825,107.93 102.825,119.555 ; 194.12,134.33 188.72,134.33 186.44,136.61 186.44,160.76 179.75,167.45 178.54,167.45 168.81,177.18 106.48,177.18 103.51,174.21 95.26,174.21 90.44,169.39 90.44,131.94 102.825,119.555 ; 195.13,113.32 195.59,113.78
InternalPlane2 (plane layer: these items are gaps in the copper):
  region: 192.75,111.31 203.04,120.5 203.86,121.32 208.858,125.491 199.74,125.44 179.38,125.44 178.06,124.12 178.06,120.18 179.55,118.69 192.75,118.69
  lines w0.254: 192.68,118.79 192.75,118.72 ; 203.86,121.35 204.12,121.35
  lines w1: 68.86,126.24 72.51,121.728

## Silkscreen, mask and mechanical layers (free items; w line width, h text height)
Top Overlay:
  text "Immortals 2018 / Main Board / REV 2.0" at 153.62,148 h1.52
Bottom Overlay:
  lines w0.2: 97.19,189.09 97.51,189.41 100.2,189.41 101.12,190.33 ; 97.21,183.52 97.45,183.76 100.11,183.76 101.12,184.77 ; 97.28,147.34 97.6,147.66 100.29,147.66 101.21,148.58 ; 97.31,141.73 97.63,142.05 100.32,142.05 101.24,142.97 ; 117.74,120.53 120.71,120.53 ; 119.06,173.24 119.38,172.92 119.38,170.14 119.68,169.84 ; 124.7,173.24 125.02,172.92 125.02,170.13 125.27,169.88 ; 177.53,188.55 177.53,189.17 175.05,189.17 175.05,187.94 177.53,187.94 177.53,188.64 177.95,188.22 180.64,188.22 180.885,187.975 ; 177.6,182.81 177.97,182.44 180.56,182.44 180.81,182.19 ; 177.66,146.43 177.66,147.05 175.18,147.05 175.18,145.82 177.66,145.82 177.66,146.52 178.14,146.04 180.66,146.04 180.87,145.83 ; 177.92,140.59 177.92,141.21 175.44,141.21 175.44,139.98 177.92,139.98 177.92,140.68 178.16,140.44 180.7,140.44 180.87,140.27 ; 101.12,184.77 101.12,184.15 103.6,184.15 103.6,185.38 101.12,185.38 101.12,184.77 ; 101.12,190.33 101.12,190.94 103.6,190.94 103.6,189.71 101.12,189.71 101.12,190.33 ; 101.21,148.58 101.21,147.96 103.69,147.96 103.69,149.19 101.21,149.19 101.21,148.58 ; 101.24,142.97 101.24,142.35 103.72,142.35 103.72,143.58 101.24,143.58 101.24,142.97 ; 119.68,169.84 120.3,169.84 120.91,169.84 120.91,167.36 119.68,167.36 119.68,169.84 ; 125.27,169.88 125.89,169.88 126.5,169.88 126.5,167.4 125.27,167.4 125.27,169.88 ; 175.12,182.43 175.12,183.66 177.6,183.66 177.6,183.04 177.6,182.43 175.12,182.43
  text "Designed By / M.R. Niknezhad / O. Najafi" at 126.63,151.77 h1.2
Mechanical 1:
  circle w0.004: c138.944,113.105 r0.002
  circle w0.2: c200.07,160.746 r1.75
  circle w0.2: c78.07,160.746 r1.75
  circle w0.2: c177.935,101.996 r1.75
  circle w0.2: c100.205,101.996 r1.75
  circle w0.006: c156.186,102.48 r0.003
  circle w0.006: c151.329,102.48 r0.003
  circle w0.006: c146.472,102.48 r0.003
  circle w0.006: c141.615,102.48 r0.003
  circle w0.006: c136.758,102.48 r0.003
  circle w0.006: c131.9,102.48 r0.003
  circle w0.006: c127.043,102.48 r0.003
  circle w0.006: c122.186,102.48 r0.003
  lines w0.013: 120.771,101.13 123.602,103.83 ; 120.771,101.13 120.771,103.83 ; 120.771,101.13 123.602,101.13 ; 120.771,103.83 123.602,101.13 ; 120.771,103.83 123.602,103.83 ; 123.602,101.13 123.602,103.83 ; 125.628,101.13 128.459,103.83 ; 125.628,101.13 125.628,103.83 ; 125.628,101.13 128.459,101.13 ; 125.628,103.83 128.459,101.13 ; 125.628,103.83 128.459,103.83 ; 128.459,101.13 128.459,103.83 ; 130.485,101.13 133.316,103.83 ; 130.485,101.13 130.485,103.83 ; 130.485,101.13 133.316,101.13 ; 130.485,103.83 133.316,101.13 ; 130.485,103.83 133.316,103.83 ; 133.316,101.13 133.316,103.83 ; 135.342,101.13 138.173,103.83 ; 135.342,101.13 135.342,103.83 ; 135.342,101.13 138.173,101.13 ; 135.342,103.83 138.173,101.13 ; 135.342,103.83 138.173,103.83 ; 138.173,101.13 138.173,103.83 ; 140.199,101.13 143.03,103.83 ; 140.199,101.13 140.199,103.83 ; 140.199,101.13 143.03,101.13 ; 140.199,103.83 143.03,101.13 ; 140.199,103.83 143.03,103.83 ; 143.03,101.13 143.03,103.83 ; 145.056,101.13 147.888,103.83 ; 145.056,101.13 145.056,103.83 ; 145.056,101.13 147.888,101.13 ; 145.056,103.83 147.888,101.13 ; 145.056,103.83 147.888,103.83 ; 147.888,101.13 147.888,103.83 ; 149.913,101.13 152.745,103.83 ; 149.913,101.13 149.913,103.83 ; 149.913,101.13 152.745,101.13 ; 149.913,103.83 152.745,101.13 ; 149.913,103.83 152.745,103.83 ; 152.745,101.13 152.745,103.83 ; 154.771,101.13 154.771,103.83 ; 154.771,101.13 157.602,101.13 ; 154.771,101.13 157.602,103.83 ; 154.771,103.83 157.602,103.83 ; 154.771,103.83 157.602,101.13 ; 157.602,101.13 157.602,103.83
  lines w0.1: 69.07,160.746 209.07,160.746 ; 82.128,113.89 95.072,102.425 ; 104.836,98.996 123.811,98.996 ; 69.03,125.491 98.944,98.996 178.944,98.996 209.07,125.679 209.07,195.996 69.03,195.996 69.03,125.491 ; 125.77,98.996 175.08,98.996 175.08,102.829 125.77,102.829 125.77,98.996
  lines w0.2: 69.07,125.496 209.07,125.496 ; 139.07,98.996 139.07,211.396

## Text inside footprints (layer, text, board x,y; h text height)
C126: Top Overlay "+" at 169.57,177.7 h1.5 r270
C_DRIBBLER: Top Overlay "+" at 107.26,180.38 h1.5 r270
C_M1: Top Overlay "+" at 193.58,175.33 h1.5 r180
C_M2: Top Overlay "+" at 85.05,173.87 h1.5
C_M3: Top Overlay "+" at 85.05,132.02 h1.5
C_M4: Top Overlay "+" at 192.81,132.45 h1.5 r180